# Allegro board TubiiPCB_V6.brd (continued)
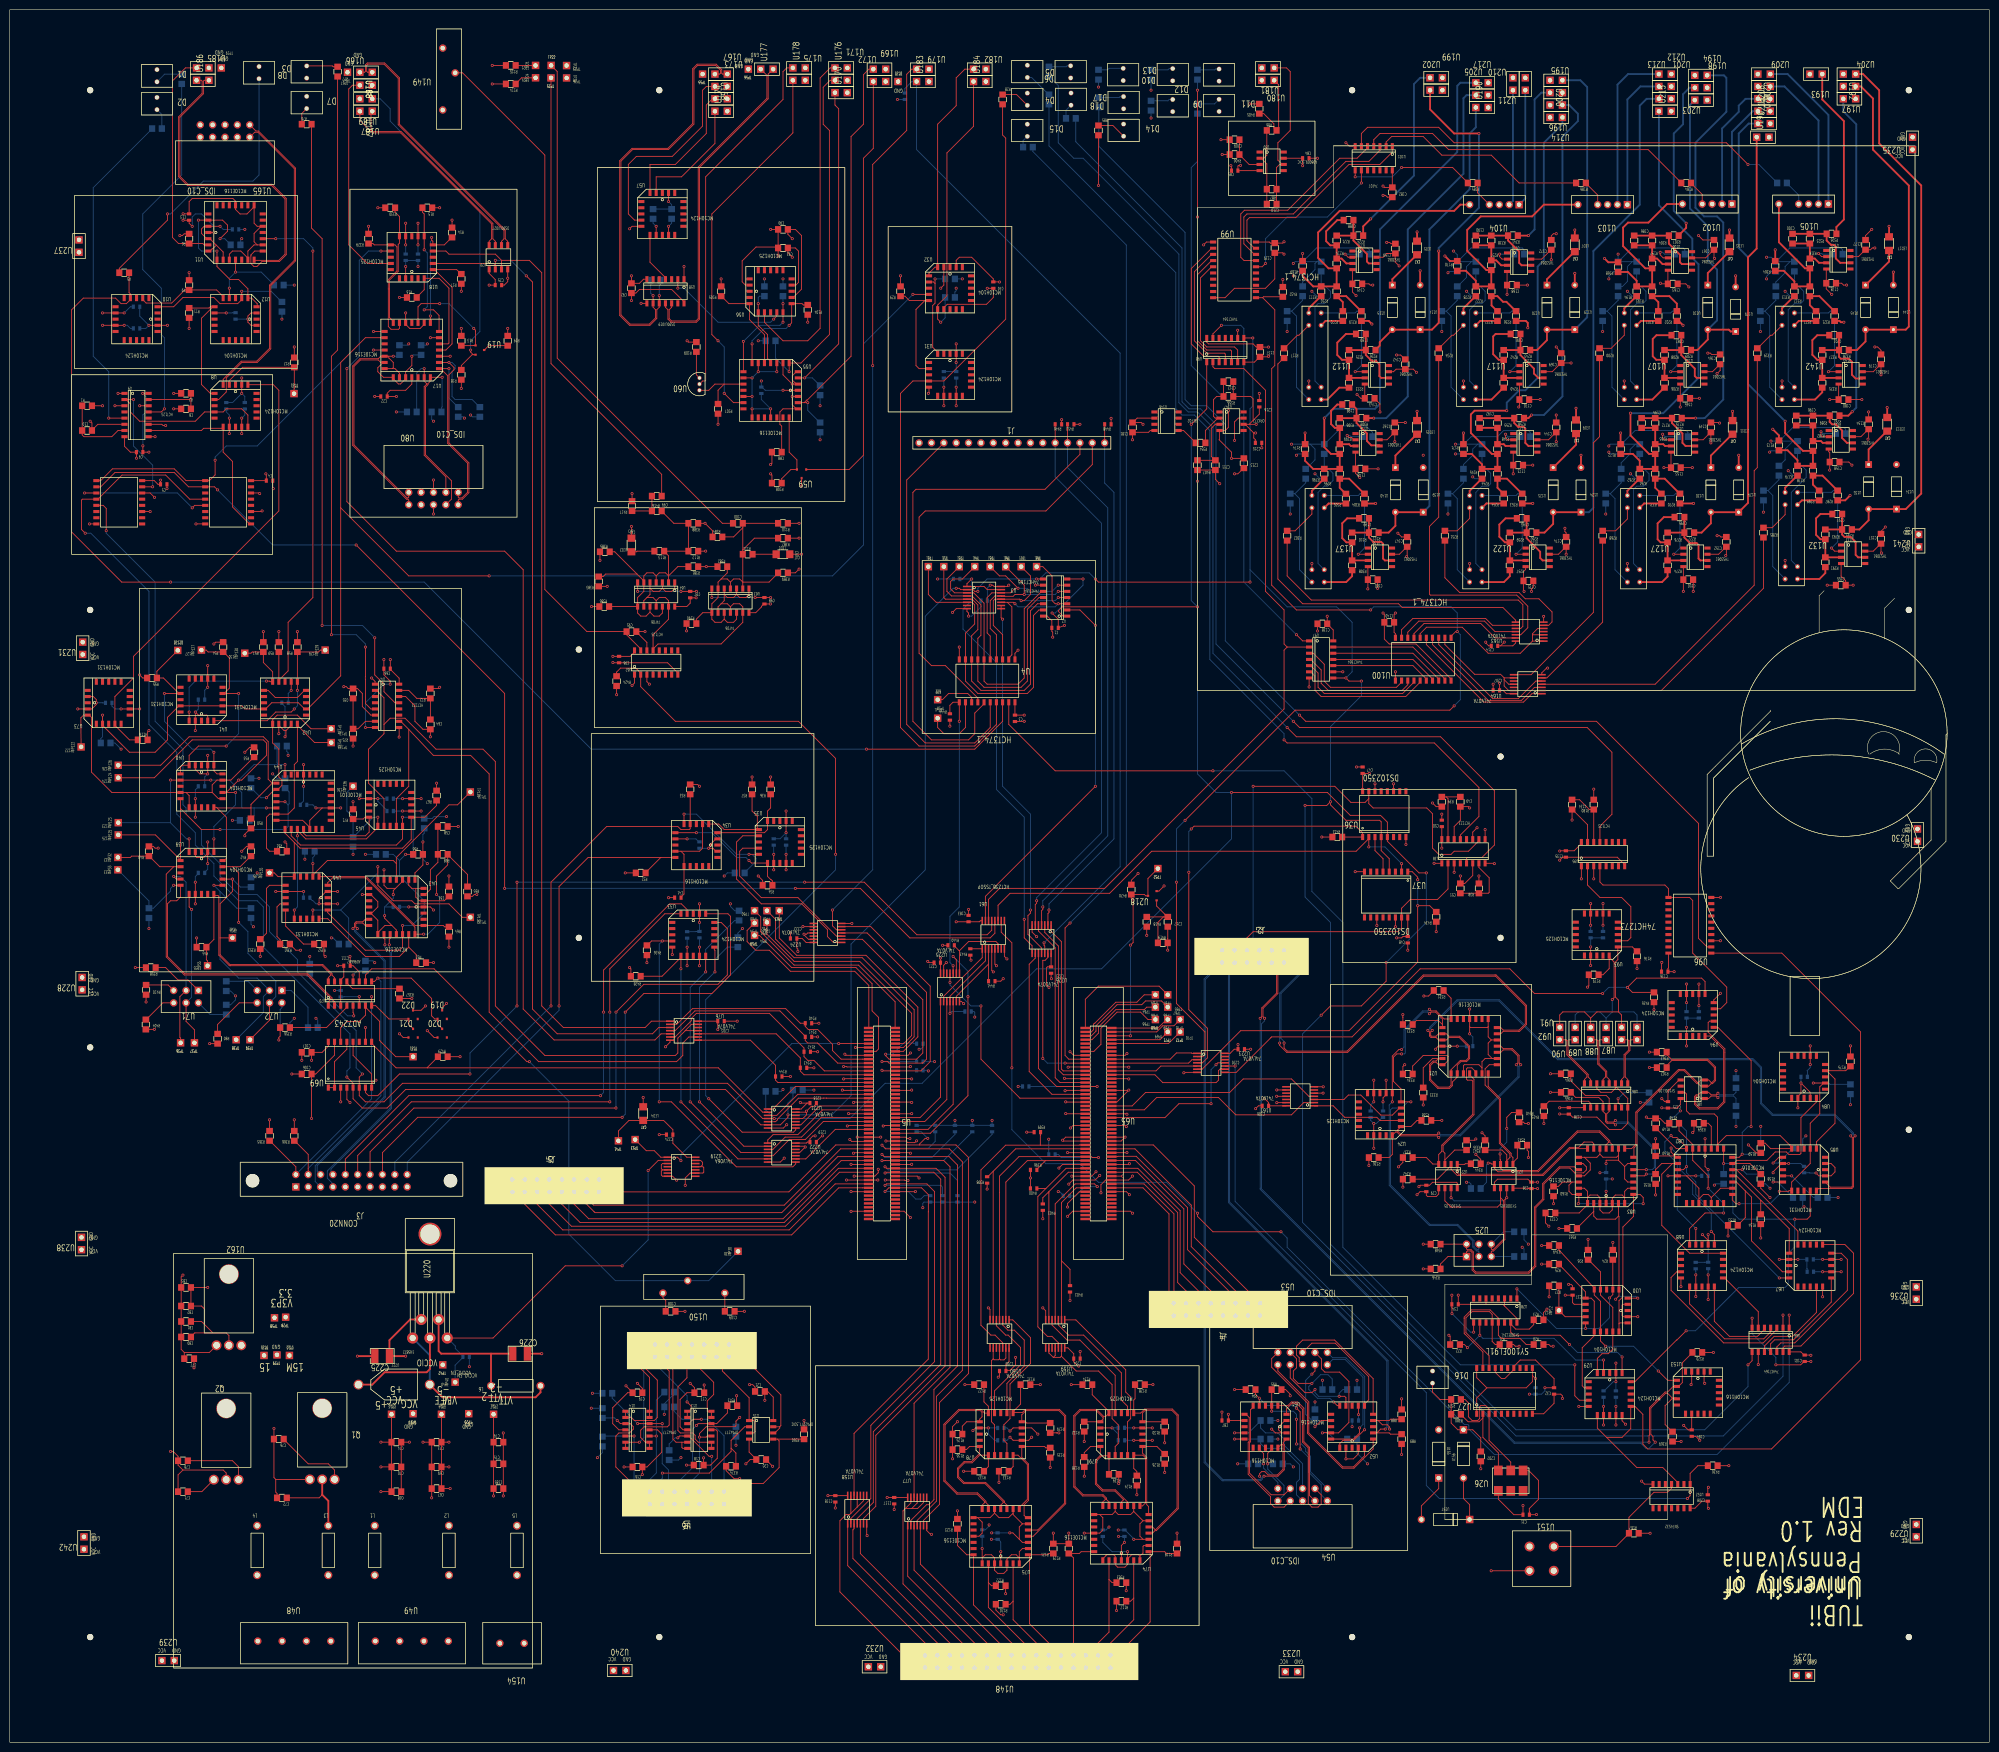
[diagram p0: board, top side]
## Routing (per net, layer and track width the routed paths; a pad name or vN(x,y) marks a point on that pad's centre or on a via; arc(x,y) is an arc through that point) (continued)
VCCIO_EN_0: length 60.5
  TOP w0.178: v1(137.8,119.38) 137.1,120.08 U219.1 133.67,120.08 132.33,121.41 130.68,121.41 TP53.1 ; U5.10 v1(170.18,143.4)
  BOTTOM w0.178: v1(137.8,119.38) 137.8,120.65 160.55,143.4 v1(170.18,143.4)
VEE: length 692.2
  TOP w0.178: C69.2 v1(90.17,56.51) ; C69.2 C73.2 ; C69.2 C67.2 v1(90.42,52.07) ; U74.1 228.22,40.39 v1(228.85,41.02) ; v1(339.17,132.1) 339.77,131.49 C125.1 340.44,133.65 342.72,135.94 U81.5 ; v1(327.1,172.13) U93.10 v1(327.1,167.69) ; U11.1 v1(41.91,309.88) ; C73.2 v1(90.17,61.59) ; C73.2 TP14.1 ; v1(35.59,312.39) C13.1 36.83,311.79 v1(37.47,311.15) ; v1(296.09,87.98) 296.09,89.2 296.07,89.22 C34.2 v1(296.07,91.77) ; v1(318.77,70.58) 318.77,71.1 318.42,71.45 C32.1 317.05,69.57 314.9,67.42 U27.10 ; v1(292.73,142.24) 292.73,142.33 293.28,142.88 U21.1 v1(297.18,142.88) ; v1(250.19,67.31) C87.1 U51.10 ; v1(191.77,278.13) U31.10 v1(191.77,274.32) ; v1(369.65,139.11) U84.10 v1(369.65,142.92) ; U12.10 v1(44.45,293.37) ; D21.1 80.77,144.65 v1(80.01,145.41) ; v1(156.84,179.07) v1(156.84,182.25) ; v1(209.8,62.61) 209.17,61.98 U78.10 205.99,61.98 v1(205.36,62.61) ; v1(142.45,58.37) C18.1 143.86,56.89 145.25,58.28 145.25,63.87 145,64.12 U13.11 ; v1(26.67,212.09) U73.10 v1(22.86,212.09) ; U83.1 v1(327.74,113.08) ; v1(23.5,293.37) v1(19.05,293.37) ; v1(151.13,57.15) 152.01,58.03 C20.1 153.27,58.08 151.8,59.56 U15.4 ; v1(80.65,191.13) U45.10 v1(84.45,191.13) ; v1(40.64,220.98) U41.10 v1(40.64,216.54) ; v1(318.21,130.22) 318.24,130.25 C128.1 322.72,130.25 322.76,130.29 U86.9 ; U14.11 132.98,64.12 133.86,63.25 133.86,59.53 130.83,56.5 C16.2 v1(129.87,54.94) ; v1(327.21,68.93) U29.10 v1(327.21,65.12) ; v1(346.15,91.49) U68.10 v1(346.15,95.93) ; v1(85.73,146.05) 87.12,144.65 D20.1 ; v1(230.76,61.98) U79.10 v1(234.57,61.98) ; v1(346.79,151.18) U94.10 v1(346.79,155.62) ; U70.6 v1(71.76,153.03) ; v1(252.68,323.65) 252.27,323.65 252.15,323.52 C85.2 U50.4 ; v1(156.21,260.35) 156.48,260.08 R108.1 ; R19.2 v1(102.23,290.19) ; v1(38.1,176.53) U39.10 v1(38.1,172.09) ; v1(38.1,189.87) U40.10 v1(38.1,193.68) ; U23.5 304.8,114.94 305.44,115.57 311.68,115.57 312.29,114.96 C28.2 v1(313.66,114.96) ; v1(348.06,123.87) U82.1 348.06,118.16 v1(348.69,117.52) ; v1(376,96.57) U67.10 v1(372.19,96.57) ; v1(81.92,171.45) 86.36,171.45 v1(87,170.81) ; v1(45.08,268.61) U8.10 v1(45.08,271.78) ; R109.1 139.33,287.39 v1(139.06,287.66) ; v1(83.82,307.34) U18.10 v1(83.82,311.79) ; v1(343.66,65.02) 344.58,64.11 C184.1 U153.10 ; v1(132.72,311.15) U57.10 ; v1(139.06,163.19) U33.10 v1(139.06,159.38) ; v1(60.33,196.22) U44.1 v1(60.33,200.66) ; v1(288.92,112.4) 289.53,113 C29.2 290.83,112.27 291.08,112.01 292.86,112.01 293.37,112.52 U22.5 ; U75.1 v1(203.45,39.12) ; R415.2 v1(314.96,127) ; v1(160.66,308.61) 159.75,309.51 C90.1 161.29,310.51 162.56,309.25 162.56,298.26 160.85,296.55 U56.10 ; U17.1 82.55,278.76 81.28,277.5 78.1,277.5 77.5,276.89 C22.1 v1(79.38,276.23) ; v1(60.33,174.62) v1(54.61,174.62) ; v1(276.91,67.26) 276.91,69.04 U52.10 ; U30.10 321.2,89.89 320.86,90.23 C37.2 v1(319.35,91.77) ; U34.10 v1(139.06,185.42) ; U150.1 C109.1 ; R410.1 v1(27.99,151.94) ; v1(57.78,215.9) U42.10 ; v1(362.03,116.89) 362.03,117.08 363.74,118.79 U85.10 v1(365.2,118.79) ; v1(282.57,135.89) 282.57,132.91 281.94,132.27 v1(281.94,131.44) ; U55.1 v1(158.75,277.5) ; U28.9 v1(300.54,84.17)
  TOP w0.381: LED13.2 v1(385.44,273.94) ; LED17.2 v1(385.83,311.15) ; LED11.2 v1(353.69,273.18) ; LED9.2 v1(321.56,273.81) ; LED7.2 v1(321.31,310.39) ; LED5.2 v1(288.92,310.01) ; LED15.2 v1(288.92,273.18) ; LED3.2 v1(353.06,310.39)
  VEE w0.178: 191.38,274.71 v1(191.77,274.32) ; v1(191.77,274.32) 192.16,274.71 ; v1(191.77,274.32) 192.16,273.93 ; v1(191.77,274.32) 191.38,273.93 ; v1(228.85,41.02) 229.25,41.41 ; v1(228.85,41.02) 228.46,40.63 ; v1(228.85,41.02) 228.46,41.41 ; v1(228.85,41.02) 229.25,40.63 ; v1(288.92,273.18) 289.32,272.78 ; v1(288.92,273.18) 288.53,273.57 ; v1(288.92,273.18) 289.32,273.57 ; v1(288.92,273.18) 288.53,272.78 ; 26.28,211.7 v1(26.67,212.09) ; v1(26.67,212.09) 26.28,212.48 ; v1(26.67,212.09) 27.06,211.7 ; v1(26.67,212.09) 27.06,212.48 ; 334.36,131.73 v1(334.76,131.33) ; v1(334.76,131.33) 334.36,130.94 ; v1(334.76,131.33) 335.15,131.73 ; v1(334.76,131.33) 335.15,130.94 ; 85.33,145.66 v1(85.73,146.05) ; v1(85.73,146.05) 85.33,146.44 ; v1(85.73,146.05) 86.12,146.44 ; v1(85.73,146.05) 86.12,145.66 ; v1(90.17,61.59) 90.56,61.2 ; v1(90.17,61.59) 90.56,61.99 ; v1(90.17,61.59) 89.78,61.99 ; v1(90.17,61.59) 89.78,61.2 ; 79.62,145.02 v1(80.01,145.41) ; v1(80.01,145.41) 80.4,145.02 ; v1(80.01,145.41) 79.62,145.81 ; v1(80.01,145.41) 80.4,145.81 ; v1(129.87,54.94) 130.27,54.55 ; v1(129.87,54.94) 129.48,54.55 ; v1(129.87,54.94) 129.48,55.34 ; v1(129.87,54.94) 130.27,55.34 ; v1(282.57,135.89) 282.97,135.5 ; v1(282.57,135.89) 282.18,136.28 ; v1(282.57,135.89) 282.97,136.28 ; v1(282.57,135.89) 282.18,135.5 ; v1(57.78,215.9) 58.18,216.29 ; v1(57.78,215.9) 57.39,216.29 ; v1(57.78,215.9) 58.18,215.51 ; v1(57.78,215.9) 57.39,215.51 ; TP14.1 89.3,66.65 ; TP14.1 87.96,68 ; TP14.1 87.96,66.65 ; TP14.1 89.3,68 ; 296.79,143.27 v1(297.18,142.88) ; v1(297.18,142.88) 296.79,142.48 ; v1(297.18,142.88) 297.57,142.48 ; v1(297.18,142.88) 297.57,143.27 ; v1(296.07,91.77) 296.46,91.37 ; v1(296.07,91.77) 296.46,92.16 ; v1(296.07,91.77) 295.67,91.37 ; v1(296.07,91.77) 295.67,92.16 ; 156.45,178.68 v1(156.84,179.07) ; v1(156.84,179.07) 156.45,179.46 ; v1(156.84,179.07) 157.24,179.46 ; v1(156.84,179.07) 157.24,178.68 ; v1(372.19,96.57) 372.58,96.96 ; v1(372.19,96.57) 371.79,96.96 ; v1(372.19,96.57) 371.79,96.17 ; v1(372.19,96.57) 372.58,96.17 ; v1(203.45,39.12) 203.85,38.72 ; v1(203.45,39.12) 203.06,39.51 ; v1(203.45,39.12) 203.06,38.72 ; v1(203.45,39.12) 203.85,39.51 ; v1(83.82,311.79) 84.21,311.39 ; v1(83.82,311.79) 83.43,312.18 ; v1(83.82,311.79) 83.43,311.39 ; v1(83.82,311.79) 84.21,312.18 ; v1(365.2,118.79) 365.59,118.4 ; v1(365.2,118.79) 364.81,119.19 ; v1(365.2,118.79) 365.59,119.19 ; v1(365.2,118.79) 364.81,118.4 ; 343.27,64.63 v1(343.66,65.02) ; v1(343.66,65.02) 344.06,65.42 ; v1(343.66,65.02) 343.27,65.42 ; v1(343.66,65.02) 344.06,64.63 ; v1(142.45,58.37) 142.84,58.77 ; v1(142.45,58.37) 142.05,58.77 ; v1(142.45,58.37) 142.05,57.98 ; v1(142.45,58.37) 142.84,57.98 ; v1(281.94,131.44) 282.33,131.84 ; v1(281.94,131.44) 282.33,131.05 ; v1(281.94,131.44) 281.55,131.84 ; v1(281.94,131.44) 281.55,131.05 ; 321.17,274.21 v1(321.56,273.81) ; v1(321.56,273.81) 321.96,274.21 ; v1(321.56,273.81) 321.96,273.42 ; v1(321.56,273.81) 321.17,273.42 ; v1(376,96.57) 376.39,96.17 ; v1(376,96.57) 375.6,96.17 ; v1(376,96.57) 376.39,96.96 ; v1(376,96.57) 375.6,96.96 ; v1(41.91,309.88) 42.3,309.49 ; v1(41.91,309.88) 42.3,310.27 ; v1(41.91,309.88) 41.52,310.27 ; v1(41.91,309.88) 41.52,309.49 ; 346.39,150.78 v1(346.79,151.18) ; v1(346.79,151.18) 347.18,150.78 ; v1(346.79,151.18) 347.18,151.57 ; v1(346.79,151.18) 346.39,151.57 ; v1(80.65,191.13) 81.04,190.74 ; v1(80.65,191.13) 81.04,191.53 ; v1(80.65,191.13) 80.25,191.53 ; v1(80.65,191.13) 80.25,190.74 ; 288.53,310.4 v1(288.92,310.01) ; v1(288.92,310.01) 289.32,309.61 ; v1(288.92,310.01) 288.53,309.61 ; v1(288.92,310.01) 289.32,310.4 ; 160.26,309 v1(160.66,308.61) ; v1(160.66,308.61) 160.26,308.22 ; v1(160.66,308.61) 161.05,308.22 ; v1(160.66,308.61) 161.05,309 ; v1(296.09,87.98) 296.49,88.37 ; v1(296.09,87.98) 295.7,88.37 ; v1(296.09,87.98) 295.7,87.59 ; v1(296.09,87.98) 296.49,87.59 ; 59.93,175.02 v1(60.33,174.62) ; v1(60.33,174.62) 59.93,174.23 ; v1(60.33,174.62) 60.72,175.02 ; v1(60.33,174.62) 60.72,174.23 ; 338.77,132.49 v1(339.17,132.1) ; v1(339.17,132.1) 339.56,132.49 ; v1(339.17,132.1) 338.77,131.71 ; v1(339.17,132.1) 339.56,131.71 ; 81.52,171.84 v1(81.92,171.45) ; v1(81.92,171.45) 82.31,171.84 ; v1(81.92,171.45) 81.52,171.06 ; v1(81.92,171.45) 82.31,171.06 ; v1(327.1,167.69) 327.49,167.29 ; v1(327.1,167.69) 326.71,168.08 ; v1(327.1,167.69) 326.71,167.29 ; v1(327.1,167.69) 327.49,168.08 ; v1(227.63,42.24) 228.03,41.85 ; v1(227.63,42.24) 228.03,42.63 ; v1(227.63,42.24) 227.24,41.85 ; v1(227.63,42.24) 227.24,42.63 ; v1(139.06,163.19) 139.46,162.8 ; v1(139.06,163.19) 139.46,163.59 ; v1(139.06,163.19) 138.67,162.8 ; v1(139.06,163.19) 138.67,163.59 ; 326.71,172.53 v1(327.1,172.13) ; v1(327.1,172.13) 327.49,171.74 ; v1(327.1,172.13) 326.71,171.74 ; v1(327.1,172.13) 327.49,172.53 ; v1(230.76,61.98) 231.15,62.37 ; v1(230.76,61.98) 231.15,61.58 ; v1(230.76,61.98) 230.37,62.37 ; v1(230.76,61.98) 230.37,61.58 ; v1(205.36,62.61) 205.75,62.22 ; v1(205.36,62.61) 205.75,63 ; v1(205.36,62.61) 204.97,63 ; v1(205.36,62.61) 204.97,62.22 ; v1(250.19,67.31) 250.58,66.92 ; v1(250.19,67.31) 249.8,66.92 ; v1(250.19,67.31) 250.58,67.7 ; v1(250.19,67.31) 249.8,67.7 ; 320.92,309.99 v1(321.31,310.39) ; v1(321.31,310.39) 320.92,310.78 ; v1(321.31,310.39) 321.7,310.78 ; v1(321.31,310.39) 321.7,309.99 ; v1(209.8,62.61) 210.2,62.22 ; v1(209.8,62.61) 209.41,62.22 ; v1(209.8,62.61) 210.2,63 ; v1(209.8,62.61) 209.41,63 ; 347.66,123.48 v1(348.06,123.87) ; v1(348.06,123.87) 348.45,124.27 ; v1(348.06,123.87) 348.45,123.48 ; v1(348.06,123.87) 347.66,124.27 ; v1(38.1,176.53) 38.49,176.92 ; v1(38.1,176.53) 37.71,176.14 ; v1(38.1,176.53) 37.71,176.92 ; v1(38.1,176.53) 38.49,176.14 ; v1(139.06,185.42) 139.46,185.81 ; v1(139.06,185.42) 139.46,185.03 ; v1(139.06,185.42) 138.67,185.81 ; v1(139.06,185.42) 138.67,185.03 ; v1(329.01,115.62) 329.4,115.22 ; v1(329.01,115.62) 328.61,116.01 ; v1(329.01,115.62) 328.61,115.22 ; v1(329.01,115.62) 329.4,116.01 ; 54.22,174.23 v1(54.61,174.62) ; v1(54.61,174.62) 55,174.23 ; v1(54.61,174.62) 54.22,175.02 ; v1(54.61,174.62) 55,175.02 ; 35.19,312.79 v1(35.59,312.39) ; v1(35.59,312.39) 35.19,312 ; v1(35.59,312.39) 35.98,312 ; v1(35.59,312.39) 35.98,312.79 ; v1(201.55,41.66) 201.94,42.05 ; v1(201.55,41.66) 201.16,41.26 ; v1(201.55,41.66) 201.16,42.05 ; v1(201.55,41.66) 201.94,41.26 ; 369.25,138.72 v1(369.65,139.11) ; v1(369.65,139.11) 370.04,139.51 ; v1(369.65,139.11) 369.25,139.51 ; v1(369.65,139.11) 370.04,138.72 ; 40.25,216.14 v1(40.64,216.54) ; v1(40.64,216.54) 41.03,216.93 ; v1(40.64,216.54) 41.03,216.14 ; v1(40.64,216.54) 40.25,216.93 ; 326.81,68.54 v1(327.21,68.93) ; v1(327.21,68.93) 327.6,68.54 ; v1(327.21,68.93) 327.6,69.32 ; v1(327.21,68.93) 326.81,69.32 ; v1(327.74,113.08) 328.13,112.68 ; v1(327.74,113.08) 327.34,112.68 ; v1(327.74,113.08) 327.34,113.47 ; v1(327.74,113.08) 328.13,113.47 ; v1(38.1,189.87) 38.49,190.26 ; v1(38.1,189.87) 37.71,189.47 ; v1(38.1,189.87) 38.49,189.47 ; v1(38.1,189.87) 37.71,190.26 ; 89.5,45.12 L2.2 ; L2.2 90.84,45.12 ; L2.2 90.84,43.78 ; L2.2 89.5,43.78 ; 313.27,115.35 v1(313.66,114.96) ; v1(313.66,114.96) 314.06,115.35 ; v1(313.66,114.96) 313.27,114.57 ; v1(313.66,114.96) 314.06,114.57 ; 318.38,70.97 v1(318.77,70.58) ; v1(318.77,70.58) 318.38,70.18 ; v1(318.77,70.58) 319.16,70.97 ; v1(318.77,70.58) 319.16,70.18 ; v1(276.91,67.26) 277.3,66.87 ; v1(276.91,67.26) 276.52,67.65 ; v1(276.91,67.26) 276.52,66.87 ; v1(276.91,67.26) 277.3,67.65 ; 352.67,310.78 v1(353.06,310.39) ; v1(353.06,310.39) 353.45,310.78 ; v1(353.06,310.39) 353.45,309.99 ; v1(353.06,310.39) 352.67,309.99 ; 346.39,155.23 v1(346.79,155.62) ; v1(346.79,155.62) 347.18,156.02 ; v1(346.79,155.62) 346.39,156.02 ; v1(346.79,155.62) 347.18,155.23 ; v1(348.69,117.52) 349.08,117.92 ; v1(348.69,117.52) 348.3,117.92 ; v1(348.69,117.52) 349.08,117.13 ; v1(348.69,117.52) 348.3,117.13 ; v1(58.42,148.59) 58.81,148.98 ; v1(58.42,148.59) 58.81,148.2 ; v1(58.42,148.59) 58.03,148.98 ; v1(58.42,148.59) 58.03,148.2 ; v1(84.45,191.13) 84.85,190.74 ; v1(84.45,191.13) 84.06,190.74 ; v1(84.45,191.13) 84.85,191.53 ; v1(84.45,191.13) 84.06,191.53 ; 37.71,171.69 v1(38.1,172.09) ; v1(38.1,172.09) 38.49,172.48 ; v1(38.1,172.09) 37.71,172.48 ; v1(38.1,172.09) 38.49,171.69 ; 288.53,112.79 v1(288.92,112.4) ; v1(288.92,112.4) 288.53,112 ; v1(288.92,112.4) 289.32,112.79 ; v1(288.92,112.4) 289.32,112 ; 345.76,95.54 v1(346.15,95.93) ; v1(346.15,95.93) 346.54,95.54 ; v1(346.15,95.93) 346.54,96.33 ; v1(346.15,95.93) 345.76,96.33 ; v1(60.33,200.66) 60.72,201.05 ; v1(60.33,200.66) 59.93,200.27 ; v1(60.33,200.66) 59.93,201.05 ; v1(60.33,200.66) 60.72,200.27 ; 44.06,292.98 v1(44.45,293.37) ; v1(44.45,293.37) 44.84,293.76 ; v1(44.45,293.37) 44.84,292.98 ; v1(44.45,293.37) 44.06,293.76 ; 385.05,274.33 v1(385.44,273.94) ; v1(385.44,273.94) 385.84,273.55 ; v1(385.44,273.94) 385.05,273.55 ; v1(385.44,273.94) 385.84,274.33 ; v1(292.73,142.24) 293.13,142.63 ; v1(292.73,142.24) 292.34,142.63 ; v1(292.73,142.24) 292.34,141.85 ; v1(292.73,142.24) 293.13,141.85 ; v1(83.82,307.34) 84.21,306.95 ; v1(83.82,307.34) 84.21,307.73 ; v1(83.82,307.34) 83.43,306.95 ; v1(83.82,307.34) 83.43,307.73 ; v1(151.13,57.15) 151.52,56.76 ; v1(151.13,57.15) 150.74,56.76 ; v1(151.13,57.15) 151.52,57.54 ; v1(151.13,57.15) 150.74,57.54 ; 44.69,272.17 v1(45.08,271.78) ; v1(45.08,271.78) 45.48,272.17 ; v1(45.08,271.78) 45.48,271.39 ; v1(45.08,271.78) 44.69,271.39 ; v1(353.69,273.18) 354.09,273.57 ; v1(353.69,273.18) 353.3,273.57 ; v1(353.69,273.18) 353.3,272.78 ; v1(353.69,273.18) 354.09,272.78 ; v1(40.64,220.98) 41.03,221.37 ; v1(40.64,220.98) 40.25,220.59 ; v1(40.64,220.98) 40.25,221.37 ; v1(40.64,220.98) 41.03,220.59 ; v1(90.17,56.51) 90.56,56.12 ; v1(90.17,56.51) 90.56,56.91 ; v1(90.17,56.51) 89.78,56.91 ; v1(90.17,56.51) 89.78,56.12 ; v1(314.96,127) 315.35,127.39 ; v1(314.96,127) 314.57,127.39 ; v1(314.96,127) 315.35,126.61 ; v1(314.96,127) 314.57,126.61 ; 326.81,65.51 v1(327.21,65.12) ; v1(327.21,65.12) 326.81,64.73 ; v1(327.21,65.12) 327.6,64.73 ; v1(327.21,65.12) 327.6,65.51 ; 37.07,310.76 v1(37.47,311.15) ; v1(37.47,311.15) 37.86,311.54 ; v1(37.47,311.15) 37.07,311.54 ; v1(37.47,311.15) 37.86,310.76 ; v1(22.86,212.09) 23.25,212.48 ; v1(22.86,212.09) 22.47,211.7 ; v1(22.86,212.09) 23.25,211.7 ; v1(22.86,212.09) 22.47,212.48 ; 345.76,91.09 v1(346.15,91.49) ; v1(346.15,91.49) 346.54,91.88 ; v1(346.15,91.49) 346.54,91.09 ; v1(346.15,91.49) 345.76,91.88 ; 37.71,193.28 v1(38.1,193.68) ; v1(38.1,193.68) 37.71,194.07 ; v1(38.1,193.68) 38.49,194.07 ; v1(38.1,193.68) 38.49,193.28 ; v1(318.21,130.22) 318.6,129.83 ; v1(318.21,130.22) 317.82,129.83 ; v1(318.21,130.22) 317.82,130.62 ; v1(318.21,130.22) 318.6,130.62 ; 27.6,151.55 v1(27.99,151.94) ; v1(27.99,151.94) 27.6,152.34 ; v1(27.99,151.94) 28.38,152.34 ; v1(27.99,151.94) 28.38,151.55 ; 361.63,117.28 v1(362.03,116.89) ; v1(362.03,116.89) 361.63,116.49 ; v1(362.03,116.89) 362.42,117.28 ; v1(362.03,116.89) 362.42,116.49 ; 153.91,279.01 v1(154.31,279.4) ; v1(154.31,279.4) 153.91,279.79 ; v1(154.31,279.4) 154.7,279.01 ; v1(154.31,279.4) 154.7,279.79 ; 138.67,158.99 v1(139.06,159.38) ; v1(139.06,159.38) 139.46,159.78 ; v1(139.06,159.38) 138.67,159.78 ; v1(139.06,159.38) 139.46,158.99 ; 385.43,311.54 v1(385.83,311.15) ; v1(385.83,311.15) 386.22,311.54 ; v1(385.83,311.15) 386.22,310.76 ; v1(385.83,311.15) 385.43,310.76 ; U150.1 147.49,91.53 ; U150.1 147.49,92.88 ; U150.1 146.14,91.53 ; U150.1 146.14,92.88 ; 156.45,182.64 v1(156.84,182.25) ; v1(156.84,182.25) 156.45,181.85 ; v1(156.84,182.25) 157.24,182.64 ; v1(156.84,182.25) 157.24,181.85 ; v1(132.72,311.15) 133.11,310.76 ; v1(132.72,311.15) 132.32,311.54 ; v1(132.72,311.15) 133.11,311.54 ; v1(132.72,311.15) 132.32,310.76 ; 318.96,92.16 v1(319.35,91.77) ; v1(319.35,91.77) 319.74,92.16 ; v1(319.35,91.77) 319.74,91.37 ; v1(319.35,91.77) 318.96,91.37 ; 233.92,333.77 v1(234.31,333.38) ; v1(234.31,333.38) 234.71,333.77 ; v1(234.31,333.38) 233.92,332.98 ; v1(234.31,333.38) 234.71,332.98 ; v1(87,170.81) 87.39,170.42 ; v1(87,170.81) 86.6,170.42 ; v1(87,170.81) 87.39,171.21 ; v1(87,170.81) 86.6,171.21 ; 234.18,62.37 v1(234.57,61.98) ; v1(234.57,61.98) 234.18,61.58 ; v1(234.57,61.98) 234.96,61.58 ; v1(234.57,61.98) 234.96,62.37 ; v1(79.38,276.23) 79.77,275.83 ; v1(79.38,276.23) 78.98,276.62 ; v1(79.38,276.23) 79.77,276.62 ; v1(79.38,276.23) 78.98,275.83 ; 59.93,195.82 v1(60.33,196.22) ; v1(60.33,196.22) 60.72,196.61 ; v1(60.33,196.22) 59.93,196.61 ; v1(60.33,196.22) 60.72,195.82 ; v1(46.36,153.19) 46.75,152.8 ; v1(46.36,153.19) 45.96,153.59 ; v1(46.36,153.19) 46.75,153.59 ; v1(46.36,153.19) 45.96,152.8 ; 138.67,288.05 v1(139.06,287.66) ; v1(139.06,287.66) 139.46,288.05 ; v1(139.06,287.66) 139.46,287.26 ; v1(139.06,287.66) 138.67,287.26 ; v1(19.05,293.37) 19.44,293.76 ; v1(19.05,293.37) 18.66,292.98 ; v1(19.05,293.37) 19.44,292.98 ; v1(19.05,293.37) 18.66,293.76 ; v1(74.93,160.02) 75.32,159.63 ; v1(74.93,160.02) 74.54,159.63 ; v1(74.93,160.02) 74.54,160.41 ; v1(74.93,160.02) 75.32,160.41 ; v1(90.42,52.07) 90.82,52.46 ; v1(90.42,52.07) 90.03,52.46 ; v1(90.42,52.07) 90.82,51.68 ; v1(90.42,52.07) 90.03,51.68 ; 101.84,290.59 v1(102.23,290.19) ; v1(102.23,290.19) 101.84,289.8 ; v1(102.23,290.19) 102.63,289.8 ; v1(102.23,290.19) 102.63,290.59 ; v1(158.75,277.5) 159.14,277.1 ; v1(158.75,277.5) 158.36,277.1 ; v1(158.75,277.5) 158.36,277.89 ; v1(158.75,277.5) 159.14,277.89 ; 155.82,259.96 v1(156.21,260.35) ; v1(156.21,260.35) 156.6,259.96 ; v1(156.21,260.35) 156.6,260.74 ; v1(156.21,260.35) 155.82,260.74 ; v1(252.68,323.65) 253.07,323.25 ; v1(252.68,323.65) 252.29,324.04 ; v1(252.68,323.65) 253.07,324.04 ; v1(252.68,323.65) 252.29,323.25 ; v1(300.54,84.17) 300.93,84.56 ; v1(300.54,84.17) 300.14,83.78 ; v1(300.54,84.17) 300.93,83.78 ; v1(300.54,84.17) 300.14,84.56 ; v1(71.76,153.03) 72.15,152.64 ; v1(71.76,153.03) 72.15,153.43 ; v1(71.76,153.03) 71.36,152.64 ; v1(71.76,153.03) 71.36,153.43 ; v1(45.08,268.61) 45.48,269 ; v1(45.08,268.61) 45.48,268.21 ; v1(45.08,268.61) 44.69,268.21 ; v1(45.08,268.61) 44.69,269 ; v1(191.77,278.13) 192.16,277.74 ; v1(191.77,278.13) 191.38,277.74 ; v1(191.77,278.13) 192.16,278.52 ; v1(191.77,278.13) 191.38,278.52 ; v1(369.65,142.92) 370.04,142.53 ; v1(369.65,142.92) 369.25,143.32 ; v1(369.65,142.92) 370.04,143.32 ; v1(369.65,142.92) 369.25,142.53 ; 61.2,160.9 v1(61.59,161.29) ; v1(61.59,161.29) 61.2,161.68 ; v1(61.59,161.29) 61.99,161.68 ; v1(61.59,161.29) 61.99,160.9 ; v1(23.5,293.37) 23.89,292.98 ; v1(23.5,293.37) 23.1,293.76 ; v1(23.5,293.37) 23.1,292.98 ; v1(23.5,293.37) 23.89,293.76
  BOTTOM w0.178: v1(71.76,153.03) 68.66,153.03 68.61,152.98 C110.2 ; R414.2 v1(334.76,131.33) ; v1(156.84,182.25) C45.1 ; v1(23.5,293.37) 24.76,294.64 C14.2 ; C132.1 v1(346.79,151.18) ; C129.2 368.25,118.21 367.66,118.79 v1(365.2,118.79) ; C53.2 38.71,196.09 38.1,195.48 v1(38.1,193.68) ; C15.2 45.69,293.42 45.64,293.37 v1(44.45,293.37) ; C130.1 v1(327.1,167.69) ; v1(327.21,68.93) C36.2 ; v1(227.63,42.24) C116.1 v1(228.85,41.02) ; C94.2 132.08,311.79 v1(132.72,311.15) ; 60.3,173.36 60.3,174.02 60.33,174.04 v1(60.33,174.62) ; R411.1 45.35,151.37 46.36,152.37 v1(46.36,153.19) 45.35,154.19 R412.1 ; v1(203.45,39.12) 203.45,41.02 203.42,41.06 203.42,41.18 202.95,41.66 C114.1 v1(201.55,41.66) ; C119.1 204.72,61.98 v1(205.36,62.61) ; v1(329.01,115.62) C126.1 v1(327.74,113.08) ; v1(297.18,142.88) C26.1 ; v1(372.19,96.57) C105.2 ; v1(369.65,139.11) 369.65,138.48 369.01,137.84 369.06,137.79 C127.1 ; v1(74.93,160.02) 74.56,160.39 R409.1 ; C57.1 59.66,192.53 60.33,193.19 v1(60.33,196.22) ; v1(22.86,212.09) 21.56,212.09 20.98,212.67 C112.2 ; C104.2 346.13,96.64 346.15,96.62 v1(346.15,95.93) ; v1(45.08,271.78) 45.08,272.42 44.45,273.05 C7.1 ; R78.2 v1(234.31,333.38) ; C54.2 40.03,215.93 v1(40.64,216.54) ; C43.1 141.48,184.81 140.87,185.42 v1(139.06,185.42) ; v1(296.09,87.98) 299.9,84.17 v1(300.54,84.17) ; v1(158.75,277.5) 155.09,277.5 154.43,278.16 C89.1 v1(154.31,279.4) ; C27.1 v1(281.94,131.44) ; C60.1 v1(80.65,191.13) ; C55.2 57.18,215.29 v1(57.78,215.9) ; v1(58.42,148.59) 57.52,147.69 R413.1 ; C120.1 v1(230.76,61.98) ; C86.1 v1(276.91,67.26) ; C52.2 38.71,178.31 38.1,177.7 v1(38.1,176.53) ; v1(37.47,311.15) 37.47,313.06 38.1,313.69 39.37,313.69 41.91,311.15 v1(41.91,309.88) ; v1(348.69,117.52) C124.1 ; v1(191.77,278.13) C39.2 ; v1(81.92,171.45) C56.2 ; v1(139.06,163.19) C44.2 ; v1(83.82,307.34) C23.1 ; R408.1 v1(61.59,161.29)
VEE_RAW: length 7.6
  VCC w0.178: 89.37,20.09 90.04,20.76 ; 90.04,20.76 89.37,21.44 ; 90.04,20.76 90.72,20.09 ; 90.04,20.76 90.72,21.44 ; L2.1 90.84,34.96 ; L2.1 89.5,34.96 ; L2.1 90.84,33.62 ; L2.1 89.5,33.62
BACKPLANE_IN<1>: length 28
  TOP w0.178: U13.3 139.41,65.39 140.31,66.29 v1(141.99,66.29)
  BOTTOM w0.178: R81.2 136.38,67.93 138.02,66.29 v1(141.99,66.29) 143.26,66.29 146.65,62.9 U6.1
BACKPLANE_IN<2>: length 19.7
  TOP w0.178: v1(144.11,58.69) 143.58,58.69 139.41,62.85 U13.5 138.24,62.85 138.23,62.87 137.54,62.87 v1(137.16,62.48)
  BOTTOM w0.178: R371.2 135.38,61.23 136.64,62.48 v1(137.16,62.48) ; U6.3 v1(144.11,58.69)
BACKPLANE_IN<3>: length 28
  TOP w0.178: v1(149.86,66.68) 149.1,65.91 149.1,64.95 148.92,64.77 142.99,64.77 141.61,63.38 v1(141.61,62.63) 142.97,62.63 143.2,62.85 U13.10
  BOTTOM w0.178: U6.7 139.03,52.67 141.61,55.25 v1(141.61,62.63) ; v1(149.86,66.68) 149.1,65.91 R372.2
BACKPLANE_IN<4>: length 24.4
  TOP w0.178: R373.2 147.34,67.58 145.15,65.39 U13.12 141.34,65.39 v1(140.97,65.02)
  BOTTOM w0.178: U6.9 136.49,52.67 140.16,56.34 140.16,64.22 v1(140.97,65.02)
BACKPLANE_IN<5>: length 43.5
  TOP w0.178: U6.2 145.32,50.22 130.71,50.22 124.43,56.5 124.43,62.85 125.05,63.48 127.23,63.48 128.02,64.26 128.02,64.77 127.39,65.39 U14.3 125.36,65.39 v1(124.71,66.04)
  BOTTOM w0.178: v1(124.71,66.04) 124.19,66.56 R378.2
BACKPLANE_IN<6>: length 40.3
  TOP w0.178: U14.5 v1(128.17,62.85)
  BOTTOM w0.178: R377.2 121.8,62.85 v1(128.17,62.85) 128.17,48.99 130.81,46.35 141.58,46.35 U6.4
BACKPLANE_IN<7>: length 38
  TOP w0.178: U14.10 v1(132.75,62.85)
  BOTTOM w0.178: U6.8 137.14,46.99 131.44,46.99 128.91,49.53 128.91,51.43 132.75,55.28 v1(132.75,62.85) 132.75,70.2 134.38,71.83 R376.2
BACKPLANE_IN<8>: length 31
  TOP w0.178: v1(133.95,65.39) U14.12 129.44,65.39 129.43,65.41 v1(128.91,65.41)
  BOTTOM w0.178: v1(133.95,65.39) 133.95,57.19 135.25,55.88 135.25,50.12 U6.10 ; v1(128.91,65.41) 123.68,70.63 R375.2
BACKPLANE_IN<9>: length 34.6
  TOP w0.178: v1(133.99,55.24) 143.64,55.24 148.1,59.71 148.1,60.34 ; R374.2 149.08,59.36 148.1,60.34 ; 148.1,60.34 148.1,61.97 150.89,64.76 U15.2
  BOTTOM w0.178: U6.14 132.52,49.99 132.52,52.75 133.99,54.22 v1(133.99,55.24)
BACKPLANE_IN<10>: length 41.5
  TOP w0.178: U6.13 131.41,52.41 132.12,53.11 154.69,53.11 157.95,56.38 157.95,61.87 157.6,62.22 ; 157.6,62.22 R350.2 ; 157.6,62.22 U15.5
BACKPLANE_OUT<1>: length 16
  TOP w0.178: U13.2 U13.1 139.41,67.93 139.89,68.41 139.89,69.03 v1(139.06,69.85)
  BOTTOM w0.178: U16.1 132.43,77.76 139.06,71.12 v1(139.06,69.85)
BACKPLANE_OUT<2>: length 22.8
  TOP w0.178: U16.3 136.14,77.93 136.14,62.23 136.79,61.58 137.99,61.58 ; 137.99,61.58 137.99,60.52 138.19,60.31 U13.7 ; 137.99,61.58 U13.6
BACKPLANE_OUT<3>: length 25.9
  TOP w0.178: U13.8 U13.9 141.36,61.58 140.72,62.23 140.72,62.99 140.23,63.48 137.69,63.48 137.18,63.99 137.18,72.95 139.03,74.8 139.03,78.09 U16.7
BACKPLANE_OUT<4>: length 15.5
  TOP w0.178: U13.13 U13.14 143.2,67.93 143.2,70.05 144.52,71.37 144.52,73.88 141.57,76.82 141.57,78.09 U16.9
BACKPLANE_OUT<5>: length 25.7
  TOP w0.178: U16.2 129.79,79.02 129.79,77.47 132.94,74.32 132.94,66.65 132.35,66.05 128.21,66.05 127.6,66.66 U14.2 U14.1
BACKPLANE_OUT<6>: length 31.4
  TOP w0.178: U14.7 U14.6 v1(129.27,61.58)
  BOTTOM w0.178: v1(129.27,61.58) 130.18,62.49 130.18,81.91 131.44,83.19 134.41,83.19 134.97,82.63 U16.4
BACKPLANE_OUT<7>: length 37.8
  TOP w0.178: U14.8 U14.9 130.5,61.58 129.54,62.54 129.54,64.06 130.23,64.75 135.02,64.75 135.38,65.11 135.38,76.2 133.6,77.98 133.6,82.55 134.68,83.62 139.14,83.62 140.05,82.71 U16.8
BACKPLANE_OUT<8>: length 35.3
  TOP w0.178: U16.10 142.59,82.63 142.49,82.73 142.49,83.64 142.16,83.98 128.35,83.98 128.02,83.64 128.02,77.9 128.19,77.72 128.52,77.72 131.35,74.9 U14.14 U14.13
BACKPLANE_OUT<9>: length 23.1
  TOP w0.178: U15.3 152.75,63.49 153,63.74 153,65.78 152.75,66.03 U15.1 151.8,70.71 146.74,75.77 146.74,75.77 146.3,76.2 146.3,80.29 U16.14
BACKPLANE_OUT<10>: length 23.9
  TOP w0.178: 158.08,64.76 158.08,64.51 157.07,63.49 U15.6 ; 158.08,64.76 U15.7 ; 158.08,64.76 158.31,64.99 158.31,71.3 150.5,79.11 U16.13
BCKP_CLK*: length 11.1
  TOP w0.178: U30.12 319.33,87.35 TP12.1 R27.2
BCKP_CLK_BUFD_N: length 44.6
  TOP w0.178: R162.2 340.17,138.87 341.23,139.94 348.5,139.94 349.96,138.48 349.96,135.91 349.48,135.43 349.3,135.43 348.79,135.94 U81.4 347.19,135.94 346.68,135.43 346.51,135.43 343.84,138.1 342.81,138.1 342.81,138.1 342.6,138.1 333.83,129.33 333.83,122.71 332.96,121.84 U83.12
BCKP_CLK_BUFD_P: length 45.3
  TOP w0.178: R163.2 340.17,141.16 341.14,140.19 348.61,140.19 350.22,138.58 350.22,135.81 349.59,135.18 349.3,135.18 348.79,134.67 U81.3 347.19,134.67 346.68,135.18 346.4,135.18 343.73,137.84 342.7,137.84 334.09,129.23 334.09,122.6 333.45,121.97 333.45,120.19 U83.11
BCKP_CLK_IN_USE_MZ: length 45.3
  TOP w0.178: U65.41 230.42,130.6 233.17,133.35 250.44,133.35 253.24,136.14 263.14,136.14 266.71,132.58 U161.4
CAEN_DATA_RDY_MZ: length 18.1